# Altium PCB CSBox.PcbDoc (part 1 of 2)
Units mil, origin at the board's own origin, x right, y up, seen from the top; angles counter-clockwise.
Board outline 3932 x 3937.33 mil, 2 copper layers (Top Layer, Bottom Layer); 102 components, 65 nets, 464 pads, 191 vias.
Unrouted connection lines stored in the file: 10.
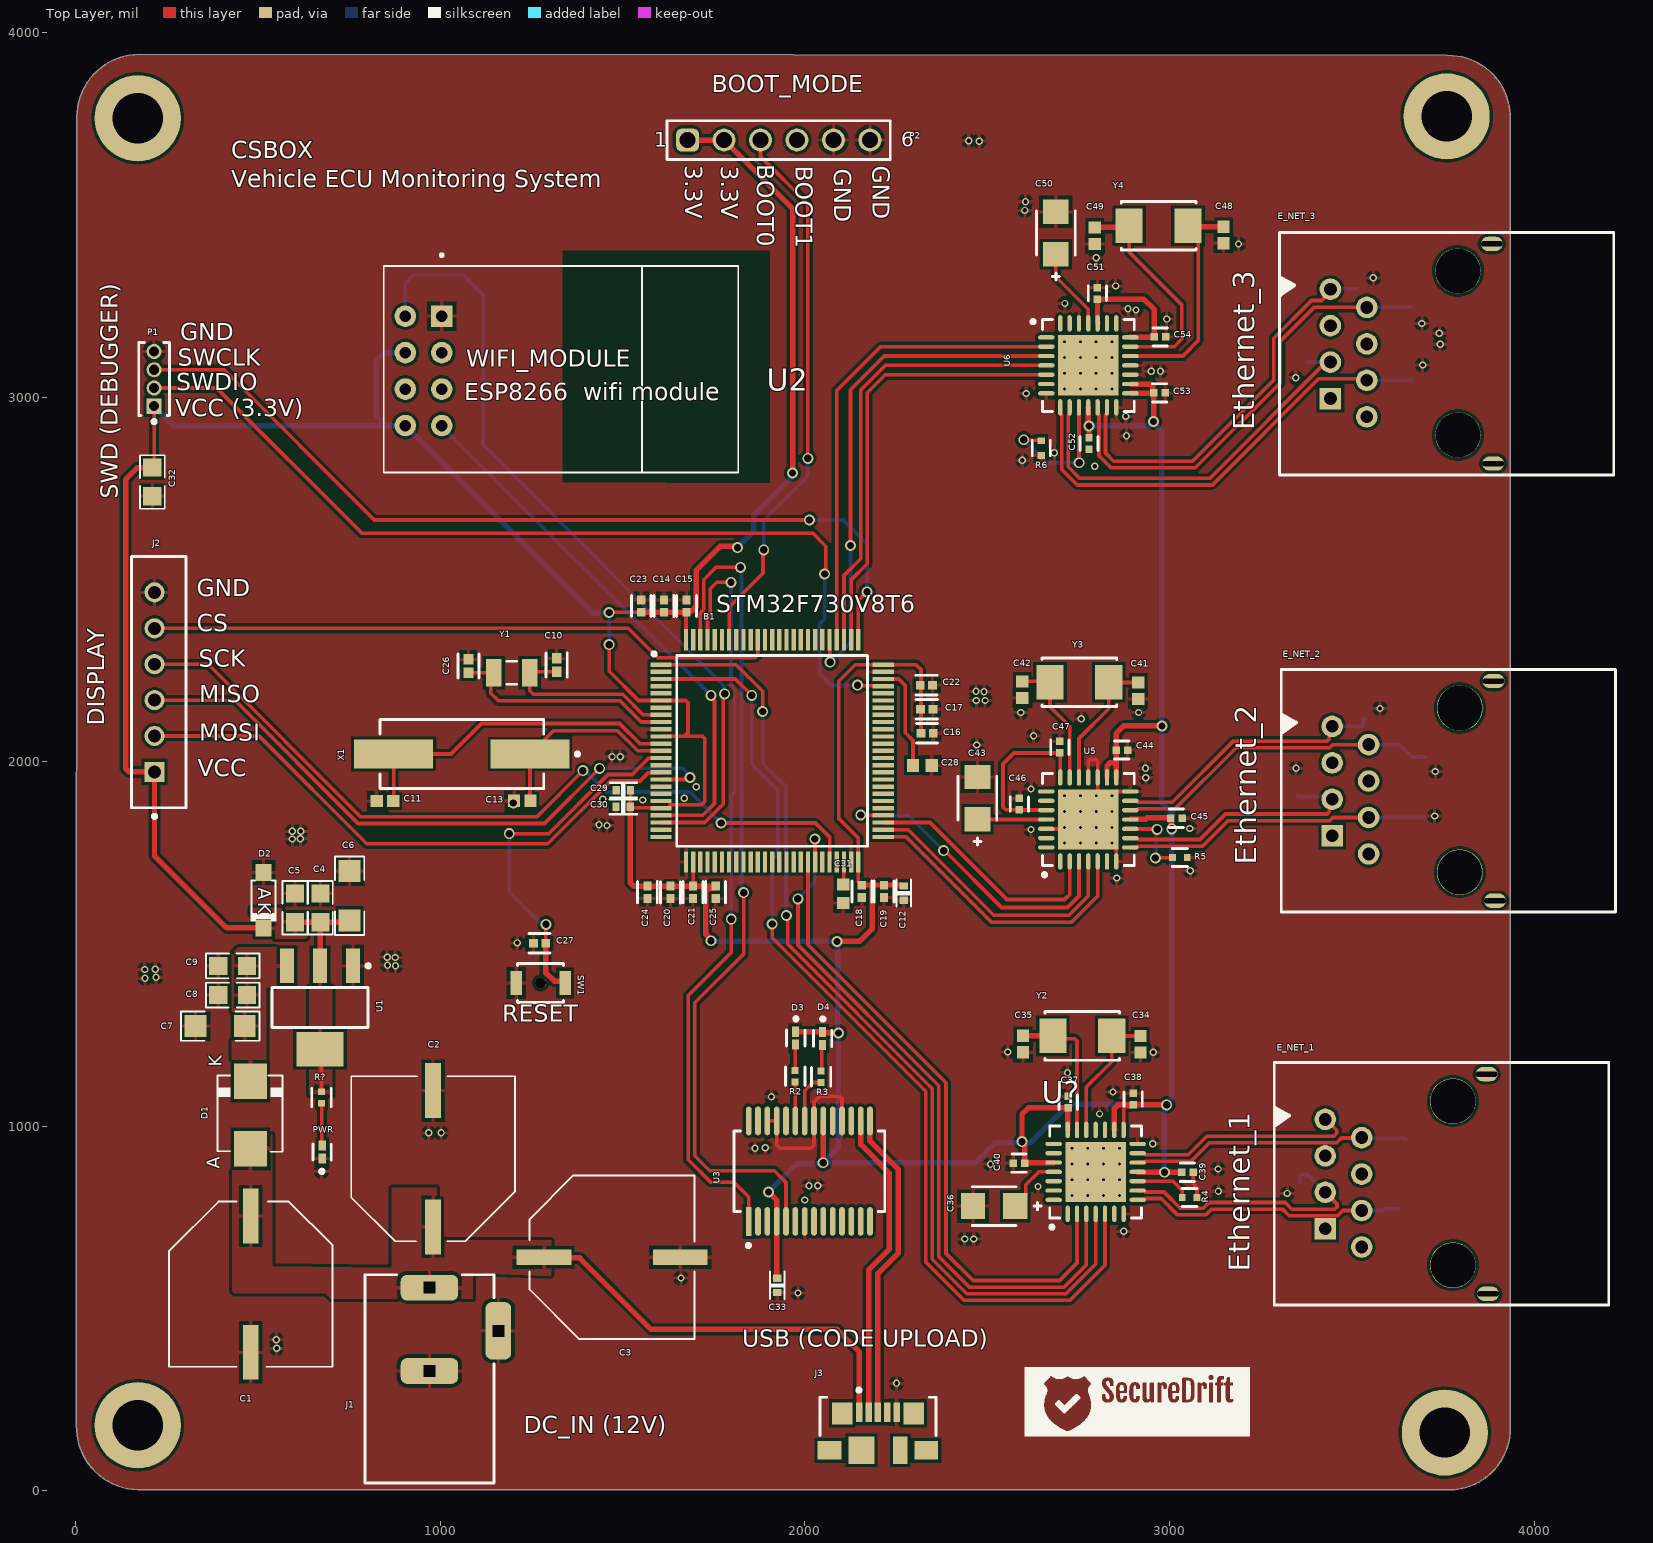
[diagram p0: Top Layer view]
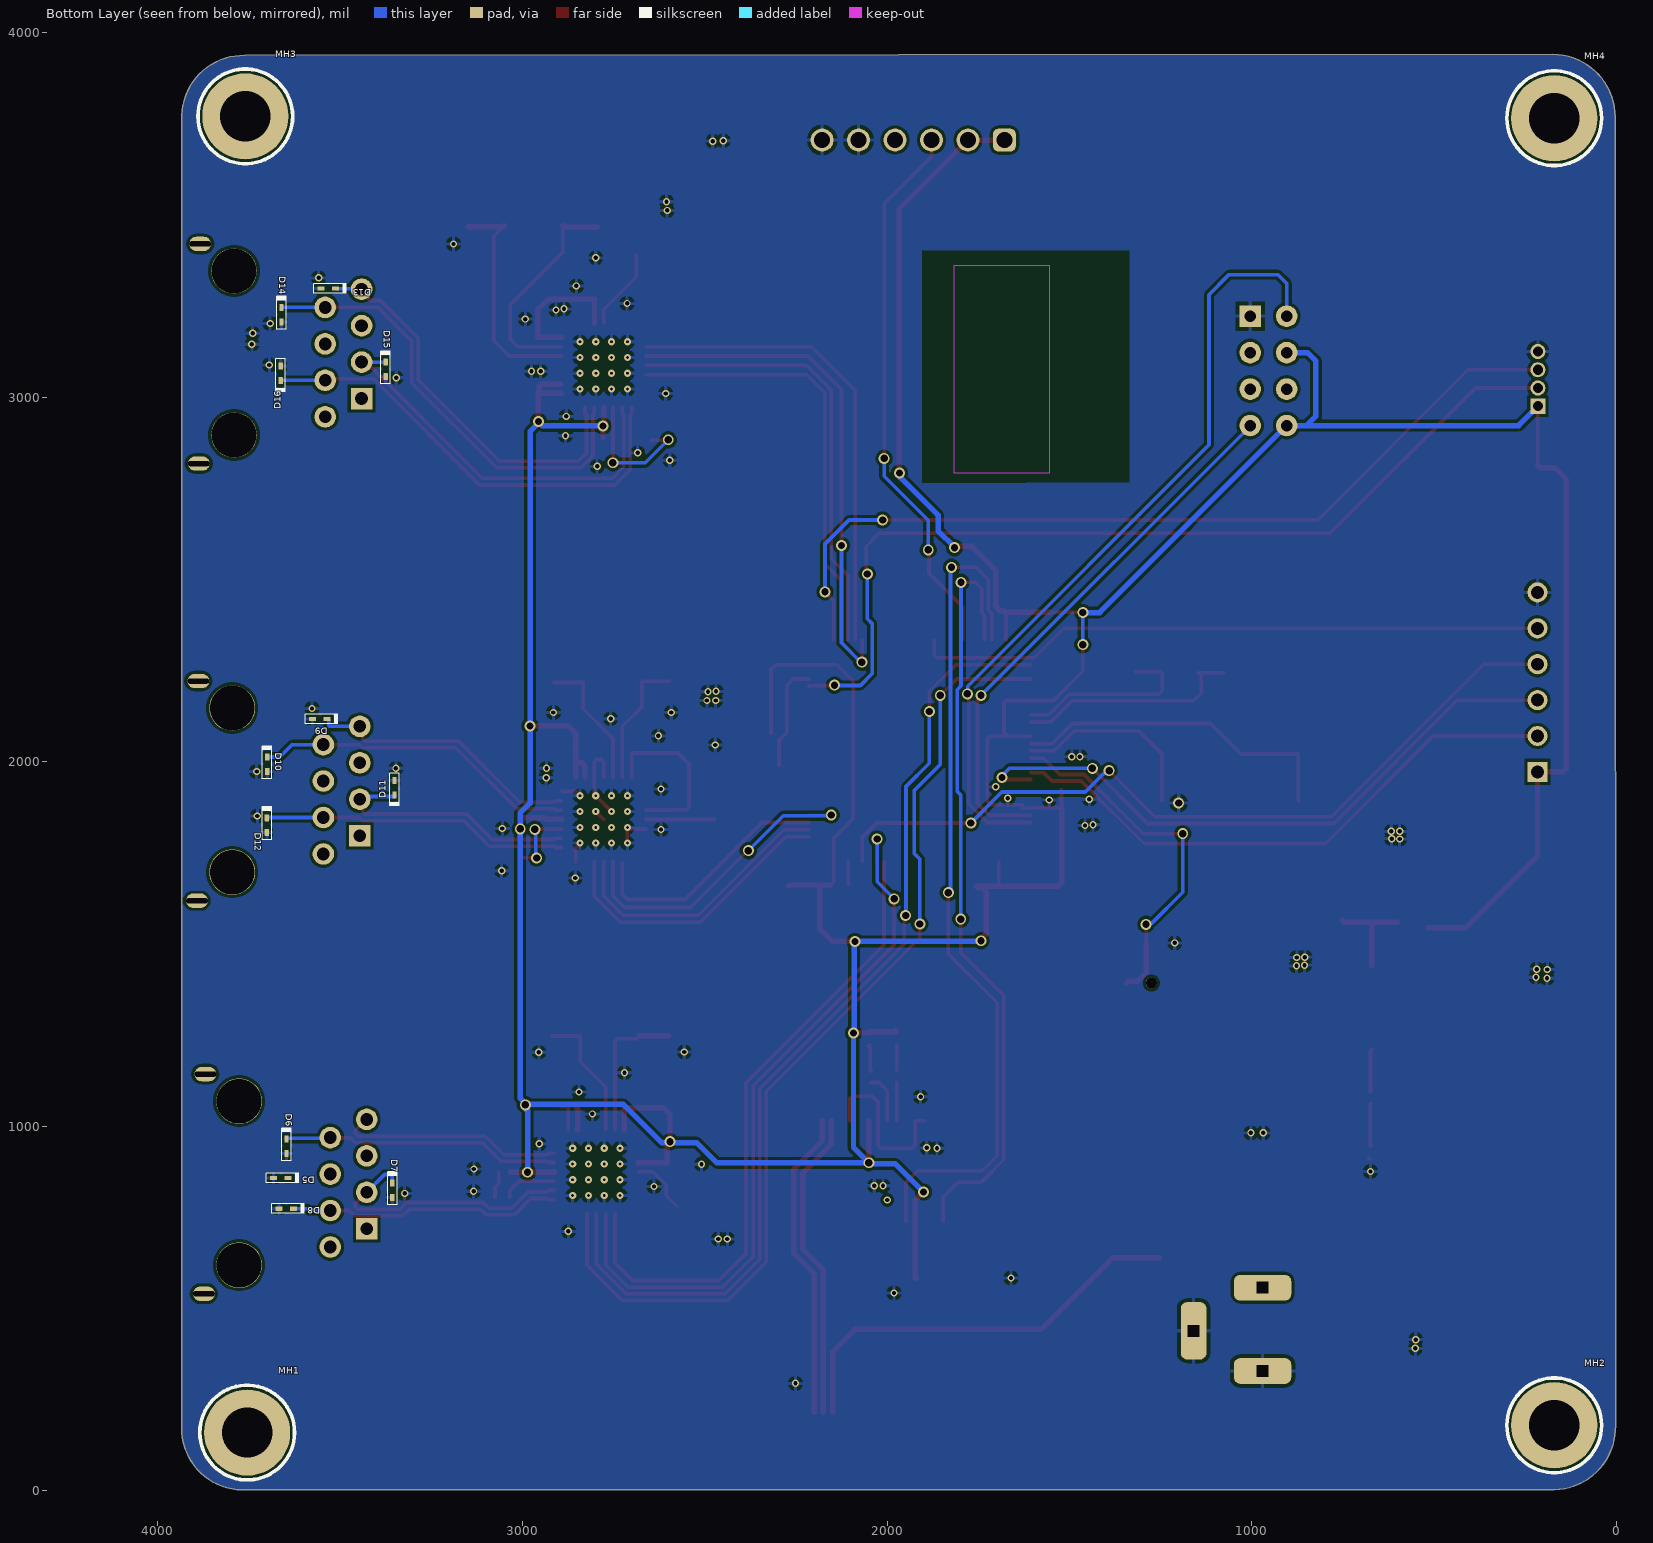
[diagram p1: Bottom Layer view, seen from below]
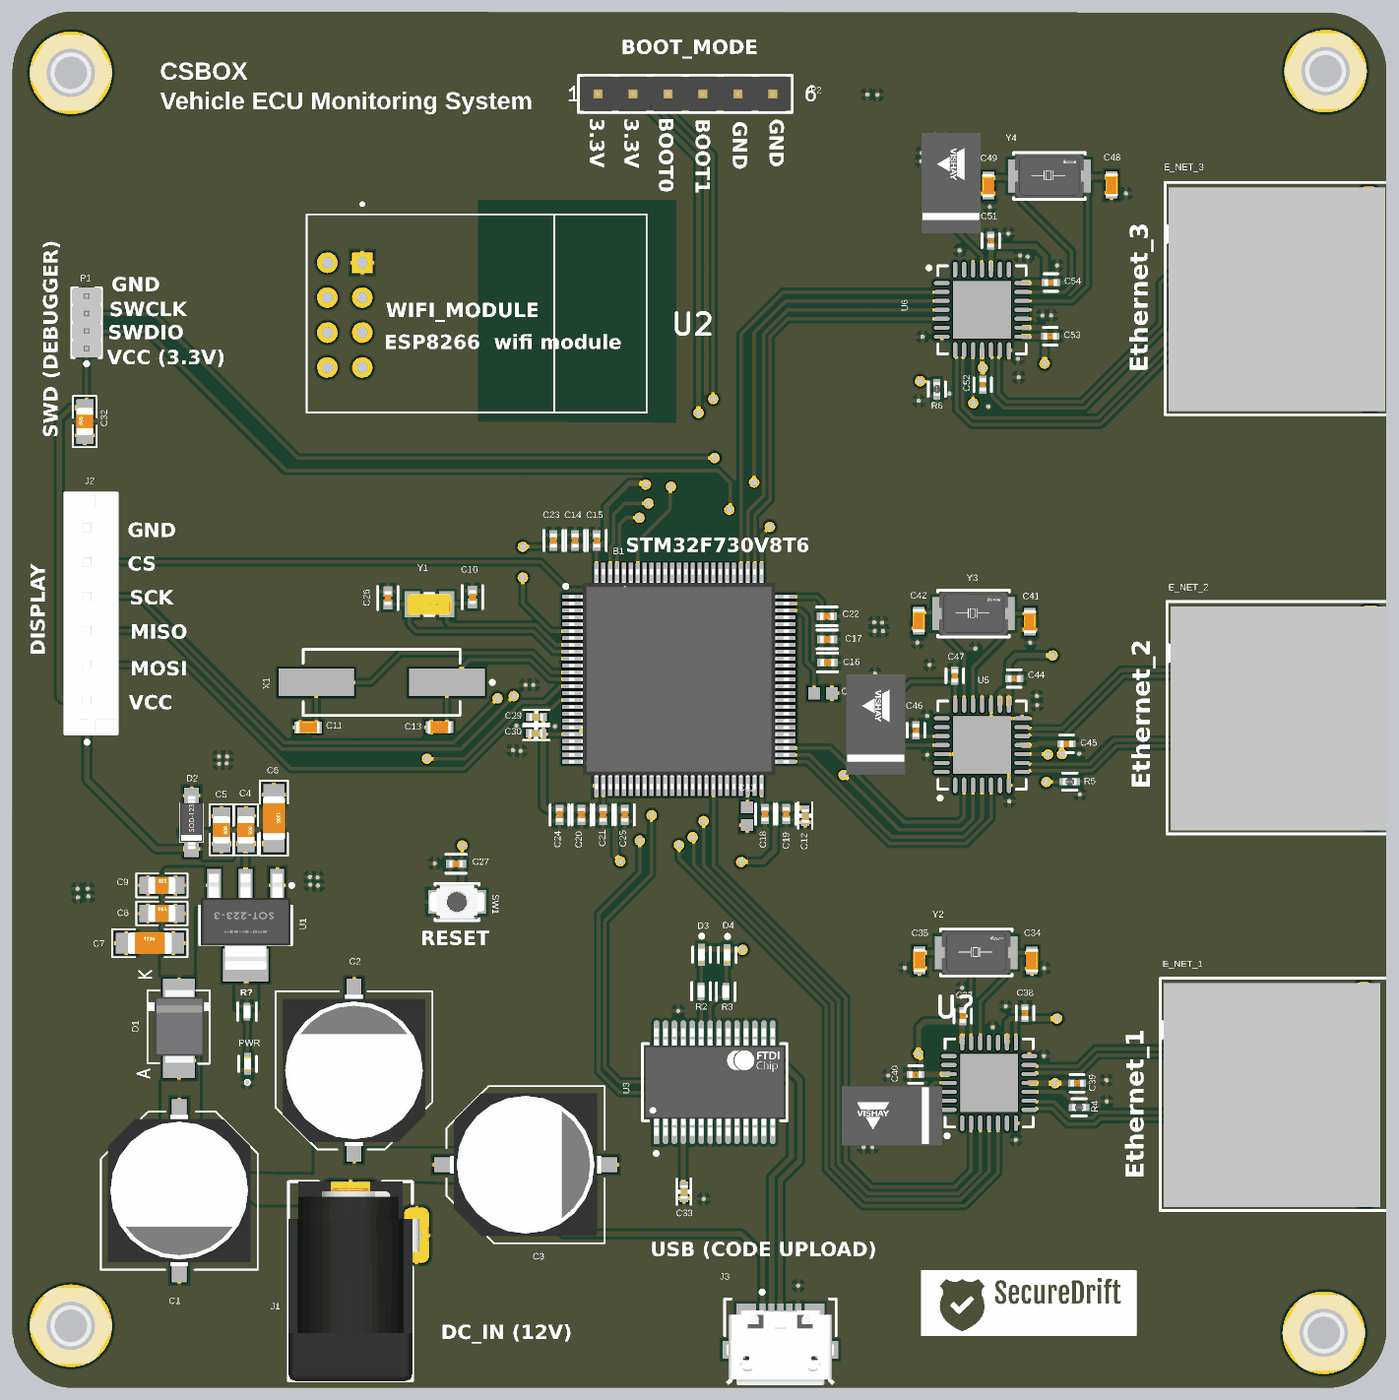
[diagram p3: 3D render of the assembled board from above, using the file's embedded part models]

## Layer stack, top to bottom
Top Solder: solder mask 0.4, Solder Resist, Dk 3.5
Top Layer: signal copper 1.4
Dielectric 1: dielectric 12.6, FR-4, Dk 4.8
Bottom Layer: signal copper 1.4
Bottom Solder: solder mask 0.4, Solder Resist, Dk 3.5

## Board outline
170,3 cw(c174.5,175.5) 2,180 3,3768 cw(c174.5,3768.5) 174,3940 3761,3937 cw(c3765.5,3768.5) 3934,3773 3934,160 cw(c3766,171) 3755,3

## Design rules (kind name [scope] priority, off if disabled: settings)
Clearance [All] p1: gap=8 ignorepadtopadclearanceinfootprint=TRUE
DiffPairsRouting "Schematic Differential Pairs Routing" [InDifferentialPairClass('DIFF100')] p1: maxlimit=8 minlimit=8 mostfreqgap=8 toplayer_minwidth=10 toplayer_maxwidth=10 toplayer_prefwidth=10 bottomlayer_minwidth=10 bottomlayer_maxwidth=10 bottomlayer_prefwidth=10 maxuncoupledlength=500
DiffPairsRouting DiffPairsRouting_1 [All] p2: maxlimit=10 minlimit=10 mostfreqgap=10 toplayer_minwidth=15 toplayer_maxwidth=15 toplayer_prefwidth=15 bottomlayer_minwidth=15 bottomlayer_maxwidth=15 bottomlayer_prefwidth=15 maxuncoupledlength=500
DiffPairsRouting diff_usb [InDifferentialPairClass('diff90')] p3: maxlimit=10 minlimit=5 mostfreqgap=5 toplayer_minwidth=10 toplayer_maxwidth=10 toplayer_prefwidth=10 bottomlayer_minwidth=10 bottomlayer_maxwidth=10 bottomlayer_prefwidth=10 maxuncoupledlength=500
PolygonConnect [All] p1: connectstyle=Relief reliefconductorwidth=10 reliefentries=4 polygonreliefangle="90 Angle" airgapwidth=10
RoutingPriority [InNetClass('All Nets')] p1: routingpriority=0
RoutingVias [All] p1: holewidth=20 width=30 viastyle="Through Hole" minholewidth=20 minwidth=30 maxholewidth=20 maxwidth=30
SolderMaskExpansion [All] p1: expansion=4 istentingtop=FALSE
Width [All] p1: maxlimit=50 minlimit=8 preferedwidth=10 checkconnectedcopper=TRUE
28 further rules are at their usual default settings.

## Classes and differential pairs
component class "USB and aother interfaces": C33 D3 D4 J3 R2 R3 U3
differential pair class DIFF100: RD RD2 RD3 T TD TD2 TD3
differential pair class diff90: USBD
component class MCU: B1 C10 C11 C12 C13 C14 C15 C16 C17 C18 C19 C20 C21 C22 C23 C24 C25 C26 C27 C28 C29 C30 C31 C32 J2 P1 P2 SW1 U2 X1 Y1
component class "power supply": C1 C2 C3 C4 C5 C6 C7 C8 C9 D1 D2 J1 MH1 MH2 MH3 MH4 PWR R? U1
component class Ethernet_3: C48 C49 C50 C51 C52 C53 C54 D13 D14 D15 D16 E_NET_3 R6 U6 Y4
component class Ethernet_2: C41 C42 C43 C44 C45 C46 C47 D9 D10 D11 D12 E_NET_2 R5 U5 Y3
component class Ethernet_1: C34 C35 C36 C37 C38 C39 C40 D5 D6 D7 D8 E_NET_1 R4 U? Y2
differential pair T: +T_P -T_N
differential pair USBD: +USBD_P -USBD_N
differential pair TD3: +TD3_P -TD3_N
differential pair TD2: +TD2_P -TD2_N
differential pair RD: +RD_P -RD_N
differential pair RD3: +RD3_P -RD3_N
differential pair RD2: +RD2_P -RD2_N

## Components (designator, comment, footprint, x,y, rotation, side; value= is the part's Value field where it differs from the comment)
B1 "STM32F730V8T6" QFP50P1600X1600X160-100N 1910,2030 r0 top
C1 "100uF" ACAP_P305_D393_H393_RAD 480,567.01 r270 top
C2 "100uF" ACAP_P305_D393_H393_RAD 980,911 r90 top
C3 "100uF" ACAP_P305_D393_H393_RAD 1471,641 r0 top
C4 "0.1uF" CAP_0805 671,1599.37 r270 top
C5 "1uF" CAP_0805 601,1599.37 r270 top
C6 "10uF" CAP_1206 751.2,1632.51 r270 top
C7 "10uF" CAP_1206 396,1275 r0 top
C8 "1uF" CAP_0805 430.37,1360 r0 top
C9 "0.1uF" CAP_0805 430.37,1440 r0 top
C10 "C1005C0G1H070D050BA" FP-C1005-050-0_05-IPC_A 1319,2265 r270 top
C11 "CC0603JRNPO9BN180" CAPC1608X90X40LL10T20 848.36,1892 r180 top
C12 "4.7 μF" "CAP 0402_1005" 2271.24,1639.62 r90 top value=100nF
C13 "CC0603JRNPO9BN180" CAPC1608X90X40LL10T20 1224.36,1893 r180 top
C14 "GRM155R71H104KE14D" FP-GRM155-0_05-IPC_B 1613,2426.87 r90 top
C15 "GRM155R71H104KE14D" FP-GRM155-0_05-IPC_B 1675,2426.87 r90 top
C16 "GRM155R71H104KE14D" FP-GRM155-0_05-IPC_B 2335,2078 r0 top
C17 "GRM155R71H104KE14D" FP-GRM155-0_05-IPC_B 2334,2144 r0 top
C18 "GRM155R71H104KE14D" FP-GRM155-0_05-IPC_B 2156,1644.13 r270 top
C19 "GRM155R71H104KE14D" FP-GRM155-0_05-IPC_B 2217,1644.26 r270 top
C20 "GRM155R71H104KE14D" FP-GRM155-0_05-IPC_B 1631,1641.87 r270 top
C21 "GRM155R71H104KE14D" FP-GRM155-0_05-IPC_B 1693,1642.13 r270 top
C22 "GRM155R71H104KE14D" FP-GRM155-0_05-IPC_B 2333.13,2210 r0 top
C23 "GRM155R71H104KE14D" FP-GRM155-0_05-IPC_B 1551,2426.87 r90 top
C24 "GRM155R71H104KE14D" FP-GRM155-0_05-IPC_B 1568,1642 r270 top
C25 "GRM155R71H104KE14D" FP-GRM155-0_05-IPC_B 1755,1642 r270 top
C26 "C1005C0G1H070D050BA" FP-C1005-050-0_05-IPC_A 1077,2262.37 r90 top
C27 "GRM155R71H104KE14D" FP-GRM155-0_05-IPC_B 1272.13,1502 r180 top
C28 "C0603C225K9PACTU" CAPC1608X90X35LL15T15 2322,1990 r180 top
C29 "1uF" "CAP 0402_1005" 1502,1922 r0 top value=100nF
C30 "100nF" "CAP 0402_1005" 1501.25,1875.76 r0 top
C31 "C0603C225K9PACTU" CAPC1608X90X35LL15T15 2105,1638 r90 top
C32 "100pF" CAP_0805 210,2767.37 r90 top
C33 "100nF" "CAP 0402_1005" 1924.24,563.62 r90 top
C34 "CC0603JRNPO9BN180" CAPC1608X90X40LL10T20 2920,1225 r90 top
C35 "CC0603JRNPO9BN180" CAPC1608X90X40LL10T20 2598,1225.64 r90 top
C36 "593D106X9016A2TE3" FP-593DA-MFG 2519,781 r0 top
C37 "C0402C104K8RACTU" FP-C0402-BB-MFG 2722,1066.25 r90 top value="0.10 μF"
C38 "C0402C104K8RACTU" FP-C0402-BB-MFG 2900,1074.75 r90 top value="0.10 μF"
C39 "C0402C104K8RACTU" FP-C0402-BB-MFG 3049,874 r0 top value="0.10 μF"
C40 "C0402C104K8RACTU" FP-C0402-BB-MFG 2587,899 r180 top value="0.10 μF"
C41 "CC0603JRNPO9BN180" CAPC1608X90X40LL10T20 2914,2194.64 r90 top
C42 "CC0603JRNPO9BN180" CAPC1608X90X40LL10T20 2596,2197.64 r90 top
C43 "593D106X9016A2TE3" FP-593DA-MFG 2473,1900.07 r270 top
C44 "C0402C104K8RACTU" FP-C0402-BB-MFG 2869,2032 r0 top value="0.10 μF"
C45 "C0402C104K8RACTU" FP-C0402-BB-MFG 3018.75,1845 r0 top value="0.10 μF"
C46 "C0402C104K8RACTU" FP-C0402-BB-MFG 2588,1883.75 r90 top value="0.10 μF"
C47 "C0402C104K8RACTU" FP-C0402-BB-MFG 2699,2039.75 r90 top value="0.10 μF"
C48 "CC0603JRNPO9BN180" CAPC1608X90X40LL10T20 3148,3444.64 r90 top
C49 "CC0603JRNPO9BN180" CAPC1608X90X40LL10T20 2795,3442.64 r90 top
C50 "593D106X9016A2TE3" FP-593DA-MFG 2688,3450.07 r270 top
C51 "C0402C104K8RACTU" FP-C0402-BB-MFG 2802,3284.75 r90 top value="0.10 μF"
C52 "C0402C104K8RACTU" FP-C0402-BB-MFG 2779,2872.75 r270 top value="0.10 μF"
C53 "C0402C104K8RACTU" FP-C0402-BB-MFG 2972.56,3011.56 r0 top value="0.10 μF"
C54 "C0402C104K8RACTU" FP-C0402-BB-MFG 2974,3165 r0 top value="0.10 μF"
D1 "MBRS130LT3G" DIO_SMB_DO-214AA 479,1031 r90 top
D2 "BZT52C3V3-7-F" DIO_SOD-123 515,1620 r270 top
D3 "APHHS1005CGCK" FP-APHHS1005CGCK-MFG 1974,1241.72 r270 top
D4 "APHHS1005CGCK" FP-APHHS1005CGCK-MFG 2048,1241 r270 top
D5 "ESD3V3D9-TP" DIO_SOD-923 3662.88,858 r0 bottom
D6 "ESD3V3D9-TP" DIO_SOD-923 3647,945.12 r270 bottom
D7 "ESD3V3D9-TP" DIO_SOD-923 3357,824.88 r270 bottom
D8 "ESD3V3D9-TP" DIO_SOD-923 3648,774 r0 bottom
D9 "ESD3V3D9-TP" DIO_SOD-923 3556,2117 r0 bottom
D10 "ESD3V3D9-TP" DIO_SOD-923 3700,1992.88 r270 bottom
D11 "ESD3V3D9-TP" DIO_SOD-923 3351,1929 r90 bottom
D12 "ESD3V3D9-TP" DIO_SOD-923 3701,1826.12 r270 bottom
D13 "ESD3V3D9-TP" DIO_SOD-923 3532.88,3298 r0 bottom
D14 "ESD3V3D9-TP" DIO_SOD-923 3661,3226.12 r270 bottom
D15 "ESD3V3D9-TP" DIO_SOD-923 3375,3076 r270 bottom
D16 "ESD3V3D9-TP" DIO_SOD-923 3663,3065 r90 bottom
E_NET_1 "RJ45 LAN" CON10_P106_RJ45_TH_ST 3779.17,619.59 r90 top
E_NET_2 "RJ45 LAN" CON10_P106_RJ45_TH_ST 3798.17,1697.59 r90 top
E_NET_3 "RJ45 LAN" CON10_P106_RJ45_TH_ST 3793.17,2896.59 r90 top
J1 "694106301002" 694106301002 970,307.35 r0 top
J2 "B6B-EH-A(LF)(SN)" FP-B6B-EH-A_LF_SN-MFG 227.81,2218.21 r90 top
J3 "473460001" FP-473460001-MFG 2200,125 r0 top
MH1 "Mounting Hole" MOUNTING 3755,160 r180 bottom
MH2 "Mounting Hole" MOUNTING 170,180 r180 bottom
MH3 "Mounting Hole" MOUNTING 3760,3770 r180 bottom
MH4 "Mounting Hole" MOUNTING 170,3765 r180 bottom
P1 "GRPB041VWVN-RC" SLIN-GRPB041VWVN-RC_V 215,3050 r90 top
P2 "61300611121" 61300611121 1928,3705 r0 top
PWR "APHHS1005CGCK" FP-APHHS1005CGCK-MFG 676,929.72 r90 top
R2 "CRCW0402100RFKED" FP-CRCW0402-e3-IPC_C 1973,1137.17 r90 top
R3 "CRCW0402100RFKED" FP-CRCW0402-e3-IPC_C 2044,1135.83 r90 top
R4 "ERJ-2RKF2001X" FP-ERJ2RK-MFG 3055,805 r180 top
R5 "ERJ-2RKF2001X" FP-ERJ2RK-MFG 3028.18,1737 r180 top
R6 "ERJ-2RKF2001X" FP-ERJ2RK-MFG 2648,2860 r90 top
R? "CRCW0402100RFKED" FP-CRCW0402-e3-IPC_C 674,1078.83 r90 top
SW1 "B3U-1000P-B" FP-B3U-1000P-B-MFG 1275,1393 r180 top
U1 "LD1117S33CTR" SOT223_3 671,1327 r270 top
U2 "ESP8266-01/ESP-01" XCVR_ESP8266-01/ESP-01 1331,3072 r270 top
U3 "FT232RL-REEL" FP-SSOP-28-MFG 2012,877 r90 top
U5 "ENC28J60-I/ML" QFN-ML28_M 2777.16,1841.59 r90 top
U6 "ENC28J60-I/ML" QFN-ML28_M 2777,3087 r0 top
U? "ENC28J60-I/ML" QFN-ML28_M 2797.25,875 r90 top
X1 "ECS-80-18-5PX-TR" ECS-80-18-5PX-TR_V 1058.99,2021 r180 top
Y1 "ABS07-32.768KHZ-7-T" FP-ABS07-MFG 1195.79,2244 r0 top
Y2 "ABM3-25.000MHZ-D2Y-T" FP-ABM3-MFG 2760.71,1248 r0 top
Y3 "ABM3-25.000MHZ-D2Y-T" FP-ABM3-MFG 2752.71,2218 r0 top
Y4 "ABM3-25.000MHZ-D2Y-T" FP-ABM3-MFG 2969.71,3470 r0 top
